# Altium PCB 电解水杯拼版6in1.PcbDoc (part 5 of 9)
Units mm, origin at the board's own origin, x right, y up, seen from the top; angles counter-clockwise.
Board outline 210 x 138 mm, 2 copper layers (Top Layer, Bottom Layer); 750 components, 0 nets, 2092 pads, 2070 vias.
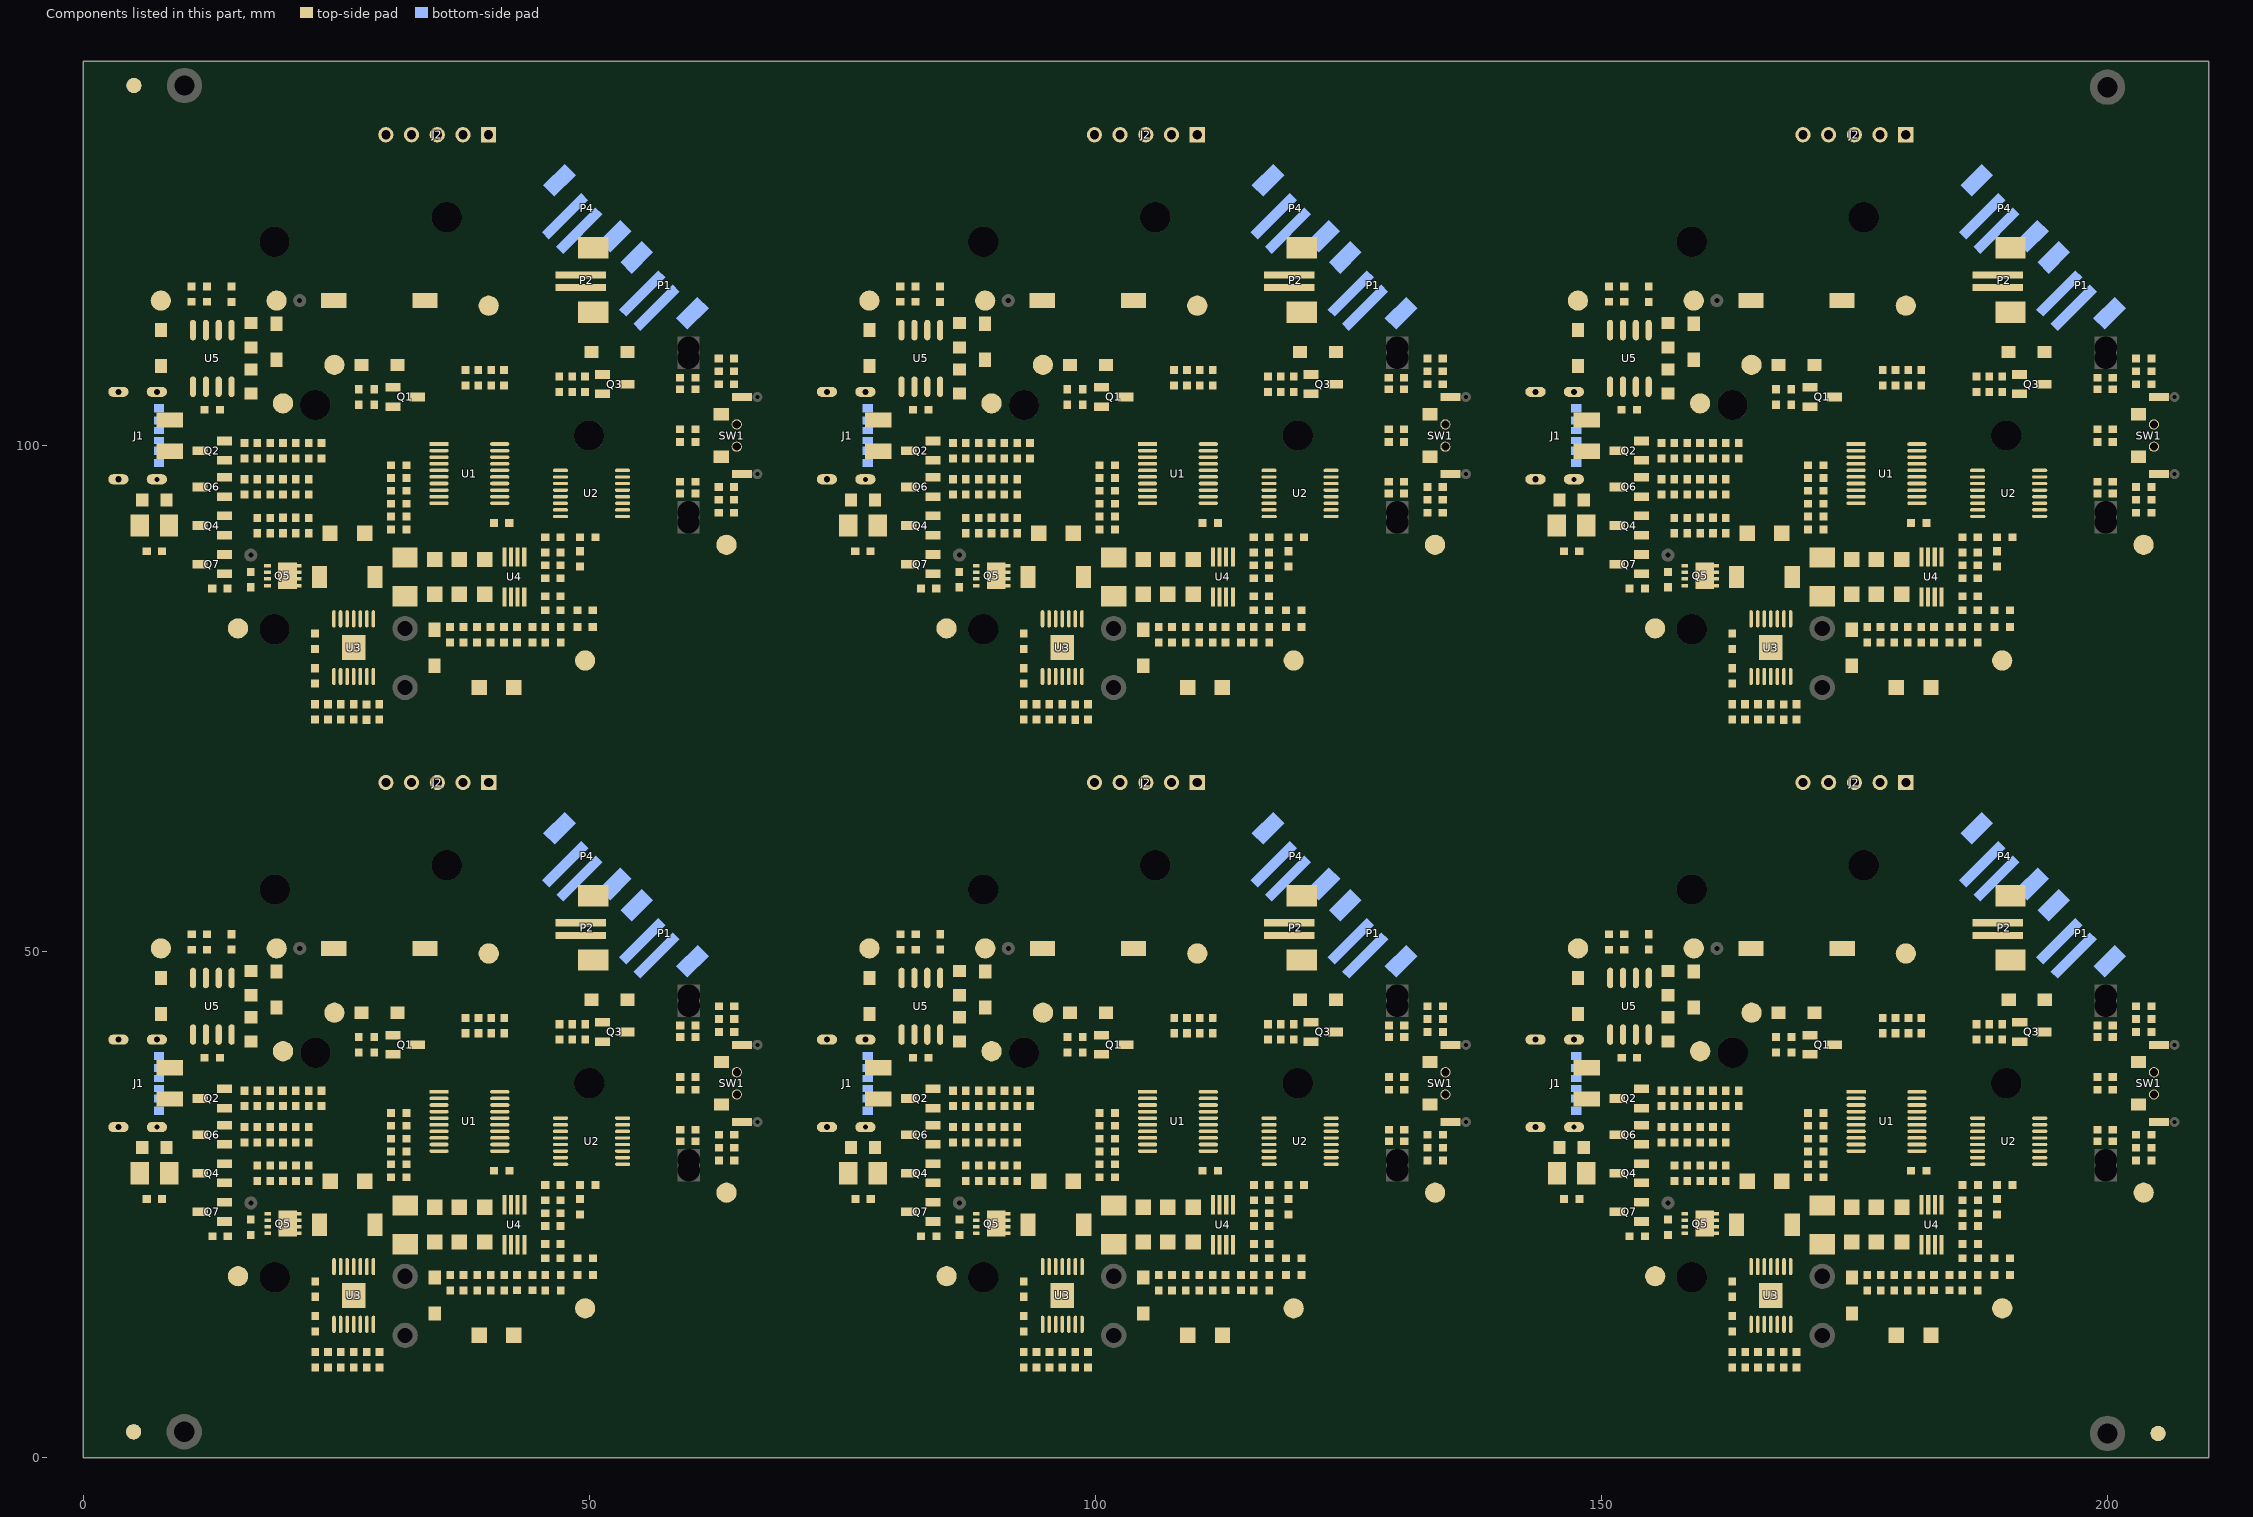
[diagram p5: the components of this part, seen from the top]

## Via types
v1: diameter 0.6, hole 0.3, Top Layer to Bottom Layer, 1968 vias
v2: diameter 0.8, hole 0.4, Top Layer to Bottom Layer, 102 vias

## Nets (pads, with @x,y where several pads share a name; then routed paths per layer and width w, separated by ;. In a path a pad name is that pad's centre, name@x,y a point inside that pad or via, vN(x,y) a via of type N, cw(c..) or ccw(c..) an arc to the next point about the centre after c; other vN are vias at no path point) (continued)
copper on no net: (continued)
  Top Layer w0.3: 5.528,95.829 ccw(c6.996,95.829) 5.958,94.791 ; 5.528,96.554 ccw(c7.721,96.554) 6.17,95.003 ; 5.534,31.829 ccw(c7.002,31.829) 5.964,30.791 ; 5.534,32.554 ccw(c7.726,32.554) 6.176,31.003 ; 5.852,94.65 5.528,94.974 5.528,102.016 6.062,102.55 8.554,102.55 ; 5.858,30.65 5.534,30.974 5.534,38.016 6.068,38.55 8.559,38.55 ; 7.58,102.126 ccw(c6.555,101.101) 6.555,102.55 ccw(c6.555,103.999) 7.58,102.974 ; 7.585,38.126 ccw(c6.561,37.101) 6.561,38.55 ccw(c6.561,39.999) 7.585,38.974 ; 7.651,89.733 ccw(c7.256,90.128) 7.814,90.128 ccw(c8.372,90.128) 7.977,89.733 ; 7.656,25.733 ccw(c7.262,26.128) 7.82,26.128 ccw(c8.377,26.128) 7.983,25.733 ; 7.814,89.471 cw(c9.851,89.471) 8.865,91.254 ; 7.814,89.57 7.814,91.422 ; 7.814,89.98 cw(c9.57,89.98) 8.72,91.516 ; 7.814,90.489 cw(c9.288,90.489) 8.575,91.779 ; 7.814,90.998 cw(c9.007,90.998) 8.429,92.041 ; 7.82,25.471 cw(c9.857,25.471) 8.871,27.254 ; 7.82,25.57 7.82,27.422 ; 7.82,25.98 cw(c9.575,25.98) 8.725,27.516 ; 7.82,26.489 cw(c9.294,26.489) 8.58,27.779 ; 7.82,26.998 cw(c9.012,26.998) 8.435,28.041 ; 10.591,114.045 cw(c9.936,113.39) 10.862,113.39 ; 10.591,114.371 ccw(c9.936,115.026) 10.862,115.026 ; 10.591,115.569 cw(c9.936,114.914) 10.862,114.914 ; 10.596,50.045 cw(c9.941,49.39) 10.868,49.39 ; 10.596,50.371 ccw(c9.941,51.026) 10.868,51.026 ; 10.596,51.569 cw(c9.941,50.914) 10.868,50.914 ; 10.753,112.235 ccw(c10.488,112.499) 10.862,112.499 ccw(c11.236,112.499) 10.972,112.235 ; 10.758,48.235 ccw(c10.494,48.499) 10.868,48.499 ccw(c11.241,48.499) 10.977,48.235 ; 10.862,111.414 10.862,115.605 ; 10.868,47.414 10.868,51.605 ; 11.373,88.106 cw(c10.903,87.636) 11.567,87.636 cw(c12.231,87.636) 11.762,88.106 ; 11.378,24.106 cw(c10.909,23.636) 11.573,23.636 cw(c12.236,23.636) 11.767,24.106 ; 11.567,88.3 11.567,86.325 12.005,85.887 12.767,85.887 ; 11.573,24.3 11.573,22.325 12.011,21.887 12.773,21.887 ; 12.585,85.724 ccw(c12.19,85.329) 12.19,85.887 ccw(c12.19,86.445) 12.585,86.05 ; 12.59,21.724 ccw(c12.196,21.329) 12.196,21.887 ccw(c12.196,22.445) 12.59,22.05 ; 13.967,98.561 17.024,98.561 ; 13.973,34.561 17.03,34.561 ; 14.154,96.683 15.942,96.683 ; 14.155,91.348 17.212,91.348 18.482,91.348 ; 14.155,100.273 15.942,100.273 ; 14.161,27.348 17.218,27.348 18.488,27.348 ; 14.16,32.683 15.947,32.683 ; 14.161,36.273 15.948,36.273 ; 14.274,96.852 ccw(c14.684,97.262) 14.684,96.683 ; 14.274,100.443 ccw(c14.686,100.855) 14.686,100.273 ; 14.277,91.182 cw(c14.678,90.78) 14.678,91.348 ; 14.28,32.852 ccw(c14.689,33.262) 14.689,32.683 ; 14.28,36.443 ccw(c14.691,36.855) 14.691,36.273 ; 14.282,27.182 cw(c14.684,26.78) 14.684,27.348 ; 14.291,86.014 16.577,86.014 ; 14.297,22.014 16.583,22.014 ; 14.473,85.724 cw(c15.174,85.023) 15.174,86.014 ; 14.479,21.724 cw(c15.18,21.023) 15.18,22.014 ; 14.487,97.064 ccw(c15.408,97.986) 15.408,96.683 ; 14.487,98.367 cw(c14.956,97.897) 14.956,98.561 cw(c14.956,99.225) 14.487,98.755 ; 14.487,100.655 ccw(c15.41,101.579) 15.41,100.273 ; 14.489,90.97 cw(c15.403,90.056) 15.403,91.348 ; 14.492,33.064 ccw(c15.414,33.986) 15.414,32.683 ; 14.492,34.367 cw(c14.961,33.897) 14.961,34.561 cw(c14.961,35.225) 14.492,34.755 ; 14.492,36.655 ccw(c15.415,37.579) 15.415,36.273 ; 14.494,26.97 cw(c15.408,26.056) 15.408,27.348 ; 14.813,82.642 ccw(c14.129,83.601) 15.307,83.601 ccw(c16.485,83.601) 15.801,82.642 ; 14.819,18.642 ccw(c14.134,19.601) 15.313,19.601 ; 14.976,98.561 ccw(c14.976,99.696) 15.779,98.893 ; 14.982,34.561 ccw(c14.982,35.696) 15.784,34.893 ; 14.988,82.398 ccw(c14.545,83.018) 15.307,83.018 ccw(c16.069,83.018) 15.627,82.398 ; 14.993,18.398 ccw(c14.55,19.018) 15.313,19.018 ccw(c16.075,19.018) 15.632,18.398 ; 15.307,81.95 15.307,83.601 15.688,83.982 19.391,83.982 19.752,84.343 19.752,86.268 20.202,86.718 20.202,87.157 ; 15.313,17.95 15.313,19.601 ; 15.778,96.519 ccw(c15.384,96.125) 15.384,96.683 ccw(c15.384,97.24) 15.778,96.846 ; 15.779,100.11 ccw(c15.384,99.715) 15.384,100.273 ccw(c15.384,100.831) 15.779,100.436 ; 15.784,32.519 ccw(c15.39,32.125) 15.39,32.683 ccw(c15.39,33.24) 15.784,32.846 ; 15.784,36.11 ccw(c15.39,35.715) 15.39,36.273 ccw(c15.39,36.831) 15.784,36.436 ; 15.806,18.642 cw(c16.491,19.601) 15.313,19.601 ; 16.105,98.893 ccw(c16.908,99.696) 16.908,98.561 ; 16.111,34.893 ccw(c16.913,35.696) 16.913,34.561 ; 16.246,98.561 ccw(c16.246,99.696) 17.049,98.893 ; 16.252,34.561 ccw(c16.252,35.696) 17.054,34.893 ; 16.414,85.851 ccw(c16.019,85.456) 16.019,86.014 ccw(c16.019,86.572) 16.414,86.177 ; 16.419,21.851 ccw(c16.025,21.456) 16.025,22.014 ccw(c16.025,22.572) 16.419,22.177 ; 16.43,87.341 cw(c16.175,87.03) 16.577,87.03 ; 16.436,23.341 cw(c16.18,23.03) 16.583,23.03 ; 16.524,87.564 ccw(c16.807,87.324) 16.545,87.062 ; 16.53,23.564 ccw(c16.812,23.324) 16.55,23.062 ; 16.536,86.182 18.227,86.182 ; 16.542,22.182 18.233,22.182 ; 16.577,87.538 16.577,87.03 ; 16.583,23.538 16.583,23.03 ; 16.724,87.341 ccw(c16.979,87.03) 16.577,87.03 ; 16.729,23.341 ccw(c16.985,23.03) 16.583,23.03 ; 16.74,85.87 cw(c17.494,85.116) 17.494,86.182 ; 16.746,21.87 cw(c17.5,21.116) 17.5,22.182 ; 16.753,87.369 ccw(c17.056,87.113) 16.775,86.832 ; 16.759,23.369 ccw(c17.061,23.113) 16.781,22.832 ; 17.049,91.185 ccw(c16.654,90.79) 16.654,91.348 ccw(c16.654,91.906) 17.049,91.511 ; 17.054,27.185 ccw(c16.66,26.79) 16.66,27.348 ccw(c16.66,27.906) 17.054,27.511 ; 17.375,91.185 cw(c17.77,90.79) 17.77,91.348 cw(c17.77,91.906) 17.375,91.511 ; 17.381,27.185 cw(c17.775,26.79) 17.775,27.348 cw(c17.775,27.906) 17.381,27.511 ; 18.227,88.132 18.227,87.482 18.227,86.832 16.775,86.832 ; 18.233,24.132 18.233,23.482 18.233,22.832 16.781,22.832 ; 18.319,91.185 ccw(c17.924,90.79) 17.924,91.348 ccw(c17.924,91.906) 18.319,91.511 ; 18.324,27.185 ccw(c17.93,26.79) 17.93,27.348 ccw(c17.93,27.906) 18.324,27.511 ; 19.752,84.302 cw(c22.102,84.302) 20.671,86.166 ; 19.752,84.911 cw(c21.635,84.911) 20.488,86.404 ; 19.752,85.519 cw(c21.168,85.519) 20.306,86.642 ; 19.758,20.302 cw(c22.107,20.302) 20.676,22.166 ; 19.758,20.911 cw(c21.64,20.911) 20.494,22.404 ; 19.758,21.519 cw(c21.173,21.519) 20.311,22.642 ; 20.208,23.157 20.208,22.718 19.758,22.268 19.758,20.343 19.396,19.982 15.694,19.982 15.313,19.601 ; 21.277,86.832 23.153,86.832 ; 21.283,22.832 23.159,22.832 ; 21.538,86.832 cw(c21.538,84.867) 22.928,86.256 ; 21.543,22.832 cw(c21.543,20.867) 22.933,22.256 ; 21.657,74.458 22.927,74.458 ; 21.662,10.458 22.932,10.458 ; 22.262,86.832 cw(c22.262,85.591) 23.14,86.469 ; 22.268,22.832 cw(c22.268,21.591) 23.145,22.469 ; 22.269,86.832 ccw(c22.269,87.764) 22.928,87.105 ; 22.274,22.832 ccw(c22.274,23.764) 22.933,23.105 ; 22.292,91.348 24.4,91.348 ; 22.298,27.348 24.406,27.348 ; 22.455,91.185 cw(c22.85,90.79) 22.85,91.348 cw(c22.85,91.906) 22.455,91.511 ; 22.461,27.185 cw(c22.855,26.79) 22.855,27.348 cw(c22.855,27.906) 22.461,27.511 ; 22.763,74.294 ccw(c22.369,73.9) 22.369,74.458 ccw(c22.369,75.015) 22.763,74.621 ; 22.764,81.624 ccw(c22.369,82.019) 22.927,82.019 ccw(c23.485,82.019) 23.09,81.624 ; 22.769,10.294 ccw(c22.375,9.9) 22.375,10.458 ccw(c22.375,11.015) 22.769,10.621 ; 22.769,17.624 ccw(c22.375,18.019) 22.933,18.019 ccw(c23.49,18.019) 23.096,17.624 ; v1@22.821,82.352 cw(c22.565,82.096) 22.927,82.096 cw(c23.289,82.096) v1@23.033,82.352 ; v1@22.826,18.352 cw(c22.57,18.096) 22.933,18.096 cw(c23.295,18.096) v1@23.039,18.352 ; 22.927,72.934 24.197,72.934 ; 22.927,76.489 24.787,76.489 ; 22.927,81.442 v1(22.927,82.458) ; v1(22.927,84.236) 25.833,84.236 26.087,83.982 26.087,82.896 ; 22.932,8.934 24.202,8.934 ; 22.933,12.489 24.792,12.489 ; 22.933,17.442 v1(22.933,18.458) ; v1(22.933,20.236) 25.838,20.236 26.092,19.982 26.092,18.896 ; v1@23.033,84.13 cw(c23.289,83.874) 23.289,84.236 cw(c23.289,84.598) v1@23.033,84.342 ; v1@23.039,20.13 cw(c23.295,19.874) 23.295,20.236 cw(c23.295,20.598) v1@23.039,20.342 ; 23.09,72.77 cw(c23.485,72.376) 23.485,72.934 cw(c23.485,73.491) 23.09,73.097 ; 23.09,76.326 cw(c23.485,75.931) 23.485,76.489 cw(c23.485,77.047) 23.09,76.652 ; 23.096,8.77 cw(c23.49,8.376) 23.49,8.934 cw(c23.49,9.491) 23.096,9.097 ; 23.096,12.326 cw(c23.49,11.931) 23.49,12.489 cw(c23.49,13.047) 23.096,12.652 ; 23.968,90.915 ccw(c22.923,89.87) 22.923,91.348 ccw(c22.923,92.825) 23.968,91.781 ; 23.973,26.915 ccw(c22.928,25.87) 22.928,27.348 ccw(c22.928,28.825) 23.973,27.781 ; 24.033,72.77 ccw(c23.639,72.376) 23.639,72.934 ccw(c23.639,73.491) 24.033,73.097 ; 24.033,74.64 ccw(c23.639,75.034) 24.197,75.034 ccw(c24.755,75.034) 24.36,74.64 ; 24.039,8.77 ccw(c23.645,8.376) 23.645,8.934 ccw(c23.645,9.491) 24.039,9.097 ; 24.039,10.64 ccw(c23.645,11.034) 24.202,11.034 ccw(c24.76,11.034) 24.366,10.64 ; 24.197,74.458 24.197,75.473 24.787,76.063 24.787,77.196 ; 24.202,10.458 24.202,11.473 24.792,12.063 24.792,13.196 ; 24.777,114.335 26.864,114.335 27.499,113.7 27.499,113.065 ; 24.783,50.335 26.87,50.335 27.505,49.7 27.505,49.065 ; 25.303,74.64 ccw(c24.982,74.962) 25.437,74.962 ; 25.309,10.64 ccw(c24.987,10.962) 25.442,10.962 ; 25.437,75.107 ccw(c26.097,75.107) 25.63,74.64 ; 25.437,77.196 25.437,74.488 25.467,74.458 26.737,74.458 ; 25.442,11.107 ccw(c26.102,11.107) 25.636,10.64 ; 25.442,13.196 25.442,10.488 25.472,10.458 26.742,10.458 ; 25.63,74.294 cw(c26.025,73.9) 26.025,74.458 cw(c26.025,75.015) 25.63,74.621 ; 25.636,10.294 cw(c26.03,9.9) 26.03,10.458 cw(c26.03,11.015) 25.636,10.621 ; 25.701,113.911 cw(c26.726,112.886) 26.726,114.335 cw(c26.726,115.784) 25.701,114.759 ; 25.707,49.911 cw(c26.731,48.886) 26.731,50.335 cw(c26.731,51.784) 25.707,50.759 ; 26.087,77.196 26.087,75.742 26.475,75.354 27.745,75.354 28.007,75.092 28.007,74.446 ; 26.092,13.196 26.092,11.742 26.481,11.354 27.751,11.354 28.013,11.092 28.013,10.446 ; 26.573,74.294 ccw(c26.179,73.9) 26.179,74.458 ccw(c26.179,75.015) 26.573,74.621 ; 26.579,10.294 ccw(c26.185,9.9) 26.185,10.458 ccw(c26.185,11.015) 26.579,10.621 ; 27.181,108.303 ccw(c26.413,109.071) 27.499,109.071 ccw(c28.585,109.071) 27.817,108.303 ; 27.186,44.303 ccw(c26.418,45.071) 27.505,45.071 ccw(c28.591,45.071) 27.823,44.303 ; 27.387,77.196 27.387,79.396 ; 27.392,13.196 27.392,15.396 ; 27.499,107.985 27.499,113.065 ; 27.505,43.985 27.505,49.065 ; 27.846,74.628 ccw(c27.458,75.016) 28.007,75.016 ; 27.852,10.628 ccw(c27.463,11.016) 28.013,11.016 ; 28.007,75.028 ccw(c28.573,75.028) 28.173,74.628 ; 28.013,11.028 ccw(c28.579,11.028) 28.178,10.628 ; 28.037,82.896 28.037,85.731 28.037,88.458 28.388,88.809 31.055,88.809 ; 28.042,18.896 28.042,21.731 28.042,24.458 28.393,24.809 31.06,24.809 ; 28.428,86.256 cw(c27.802,85.63) 28.687,85.63 ; 28.433,22.256 cw(c27.807,21.63) 28.692,21.63 ; v1@28.536,112.959 ccw(c28.28,112.703) 28.28,113.065 ccw(c28.28,113.427) v1@28.536,113.171 ; v1@28.541,48.959 ccw(c28.285,48.703) 28.285,49.065 ccw(c28.285,49.427) v1@28.541,49.171 ; v1(28.642,113.065) 27.499,113.065 ; v1(28.648,49.065) 27.505,49.065 ; 28.687,77.196 28.687,75.937 29.277,75.347 29.277,74.458 ; 28.687,82.896 28.687,86.381 ; 28.687,84.834 cw(c30.699,84.834) 29.276,86.256 ; 28.687,85.558 cw(c29.974,85.558) 29.064,86.469 ; 28.692,13.196 28.692,11.937 29.282,11.347 29.282,10.458 ; 28.692,18.896 28.692,22.381 ; 28.692,20.834 cw(c30.704,20.834) 29.282,22.256 ; 28.692,21.558 cw(c29.98,21.558) 29.069,22.469 ; 29.113,74.64 ccw(c28.719,75.034) 29.277,75.034 ccw(c29.835,75.034) 29.44,74.64 ; 29.119,10.64 ccw(c28.725,11.034) 29.282,11.034 ccw(c29.84,11.034) 29.446,10.64 ; 29.186,88.809 ccw(c29.186,91.326) 30.966,89.546 ; 29.191,24.809 ccw(c29.191,27.326) 30.971,25.546 ; 29.844,88.809 cw(c29.844,87.222) 30.966,88.344 ; 29.85,24.809 cw(c29.85,23.222) 30.971,24.344 ; 29.91,88.809 ccw(c29.91,90.602) 31.178,89.334 ; 29.916,24.809 ccw(c29.916,26.602) 31.184,25.334 ; 30.568,88.809 cw(c30.568,87.946) 31.178,88.556 ; 30.574,24.809 cw(c30.574,23.946) 31.184,24.556 ; 31.781,96.972 ccw(c31.386,97.367) 31.944,97.367 ccw(c32.502,97.367) 32.107,96.972 ; 31.781,97.916 cw(c31.386,97.521) 31.944,97.521 cw(c32.502,97.521) 32.107,97.916 ; 31.786,32.972 ccw(c31.392,33.367) 31.95,33.367 ccw(c32.507,33.367) 32.113,32.972 ; 31.786,33.916 cw(c31.392,33.521) 31.95,33.521 cw(c32.507,33.521) 32.113,33.916 ; 31.944,96.809 31.944,98.079 ; 31.95,32.809 31.95,34.079 ; 32.013,94.962 35.167,94.962 ; 32.019,30.962 35.173,30.962 ; 32.077,98.212 v1(33.622,98.212) 35.167,98.212 ; 32.082,34.212 v1(33.627,34.212) 35.173,34.212 ; 32.126,97.916 cw(c32.841,97.201) 32.841,98.212 ; 32.132,33.916 cw(c32.847,33.201) 32.847,34.212 ; v1@33.516,98.106 ccw(c33.26,97.85) 33.26,98.212 ccw(c33.26,98.574) v1@33.516,98.318 ; v1@33.521,34.106 ccw(c33.265,33.85) 33.265,34.212 ccw(c33.265,34.574) v1@33.521,34.318 ; v1(33.595,96.262) 35.167,96.262 ; v1(33.601,32.262) 35.173,32.262 ; v1@33.701,96.156 cw(c33.957,95.9) 33.957,96.262 cw(c33.957,96.624) v1@33.701,96.368 ; v1@33.707,32.156 cw(c33.963,31.9) 33.963,32.262 cw(c33.963,32.624) v1@33.707,32.368 ; v1@33.728,98.106 cw(c33.984,97.85) 33.984,98.212 cw(c33.984,98.574) v1@33.728,98.318 ; v1@33.733,34.106 cw(c33.99,33.85) 33.99,34.212 cw(c33.99,34.574) v1@33.733,34.318 ; 34.738,88.757 37.151,88.757 39.691,88.757 ; 34.744,24.757 37.157,24.757 39.697,24.757 ; 35.171,88.324 cw(c36.216,87.28) 36.216,88.757 cw(c36.216,90.235) 35.171,89.19 ; 35.176,24.324 cw(c36.221,23.28) 36.221,24.757 cw(c36.221,26.235) 35.176,25.19 ; 36.718,88.324 ccw(c35.674,87.28) 35.674,88.757 ccw(c35.674,90.235) 36.718,89.19 ; 36.724,24.324 ccw(c35.679,23.28) 35.679,24.757 ccw(c35.679,26.235) 36.724,25.19 ; 37.422,80.375 cw(c37.003,79.956) 37.596,79.956 ; 37.427,16.375 cw(c37.008,15.956) 37.601,15.956 ; v1@37.49,79.516 ccw(c37.233,79.772) 37.596,79.772 ccw(c37.958,79.772) v1@37.702,79.516 ; v1@37.495,15.516 ccw(c37.239,15.772) 37.601,15.772 ccw(c37.963,15.772) v1@37.707,15.516 ; 37.584,88.324 cw(c38.629,87.28) 38.629,88.757 cw(c38.629,90.235) 37.584,89.19 ; 37.589,24.324 cw(c38.634,23.28) 38.634,24.757 cw(c38.634,26.235) 37.589,25.19 ; v1(37.596,79.41) 37.596,80.553 38.929,80.553 ; 37.596,80.005 cw(c38.118,80.005) 37.749,80.375 ; v1(37.601,15.41) 37.601,16.553 38.935,16.553 ; 37.601,16.005 cw(c38.124,16.005) 37.754,16.375 ; 37.749,80.394 cw(c38.133,80.009) 38.133,80.553 ; 37.749,80.72 ccw(c38.153,81.124) 38.153,80.553 ; 37.754,16.394 cw(c38.139,16.009) 38.139,16.553 ; 37.754,16.72 ccw(c38.158,17.124) 38.158,16.553 ; 38.7,76.541 ccw(c37.655,77.585) 39.132,77.585 ccw(c40.61,77.585) 39.565,76.541 ; 38.705,12.541 ccw(c37.66,13.585) 39.138,13.585 ccw(c40.615,13.585) 39.57,12.541 ; 38.766,80.39 ccw(c38.371,79.995) 38.371,80.553 ccw(c38.371,81.111) 38.766,80.716 ; 38.766,82.259 ccw(c38.371,82.654) 38.929,82.654 ccw(c39.487,82.654) 39.092,82.259 ; 38.771,16.39 ccw(c38.377,15.995) 38.377,16.553 ccw(c38.377,17.111) 38.771,16.716 ; 38.771,18.259 ccw(c38.377,18.654) 38.935,18.654 ccw(c39.492,18.654) 39.098,18.259 ; v1@38.823,83.114 cw(c38.567,82.858) 38.929,82.858 cw(c39.291,82.858) v1@39.035,83.114 ; v1@38.828,19.114 cw(c38.572,18.858) 38.935,18.858 cw(c39.297,18.858) v1@39.041,19.114 ; 38.929,82.077 v1(38.929,83.22) ; 38.935,18.077 v1(38.935,19.22) ; 39.132,76.108 39.132,77.835 39.437,78.14 41.342,78.14 41.596,78.394 41.596,80.553 ; 39.138,12.108 39.138,13.835 39.443,14.14 41.348,14.14 41.602,14.394 41.602,16.553 ; 39.258,88.324 ccw(c38.214,87.28) 38.214,88.757 ccw(c38.214,90.235) 39.258,89.19 ; 39.264,24.324 ccw(c38.219,23.28) 38.219,24.757 ccw(c38.219,26.235) 39.264,25.19 ; 39.489,84.75 cw(c39.202,83.929) v1@40.072,83.929 ; 39.495,20.75 cw(c39.208,19.929) v1@40.078,19.929 ; 39.588,85.034 cw(c39.35,84.352) 40.072,84.352 ; 39.594,21.034 cw(c39.355,20.352) 40.078,20.352 ; v1@39.942,84.057 ccw(c39.669,84.215) 39.974,84.296 ; v1@39.948,20.057 ccw(c39.674,20.215) 39.979,20.296 ; 39.957,84.36 ccw(c40.351,84.466) v1@40.147,84.112 ; 39.962,20.36 ccw(c40.357,20.466) v1@40.153,20.112 ; v1@39.966,84.088 ccw(c39.71,84.344) 40.072,84.344 ccw(c40.434,84.344) v1@40.178,84.088 ; v1@39.971,20.088 ccw(c39.715,20.344) 40.078,20.344 ccw(c40.44,20.344) v1@40.184,20.088 ; v1(40.072,83.982) 40.072,84.947 ; v1(40.078,19.982) 40.078,20.947 ; 40.426,81.914 cw(c40.822,81.518) 40.822,82.078 ; 40.426,82.24 ccw(c40.819,82.633) 40.819,82.078 ; 40.431,17.914 cw(c40.827,17.518) 40.827,18.078 ; 40.431,18.24 ccw(c40.824,18.633) 40.824,18.078 ; 40.453,82.078 41.637,82.078 ; 40.459,18.078 41.643,18.078 ; 41.037,82.078 cw(c41.037,81.518) 41.433,81.914 ; 41.04,82.078 ccw(c41.04,82.633) 41.433,82.24 ; 41.042,18.078 cw(c41.042,17.518) 41.438,17.914 ; 41.045,18.078 ccw(c41.045,18.633) 41.438,18.24 ; 41.433,80.371 cw(c41.038,79.976) 41.596,79.976 cw(c42.154,79.976) 41.759,80.371 ; 41.433,82.259 ccw(c40.939,82.753) 41.637,82.753 ; 41.433,107.659 ccw(c41.038,108.054) 41.596,108.054 ccw(c42.154,108.054) 41.759,107.659 ; 41.438,16.371 cw(c41.044,15.976) 41.602,15.976 cw(c42.159,15.976) 41.765,16.371 ; 41.438,18.259 ccw(c40.945,18.753) 41.643,18.753 ; 41.438,43.659 ccw(c41.044,44.054) 41.602,44.054 ccw(c42.159,44.054) 41.765,43.659 ; v1(41.469,118.272) 44.898,118.272 45.406,117.764 v1(45.406,113.065) v1(45.406,109.255) ; v1(41.475,54.272) 44.904,54.272 45.412,53.764 v1(45.412,49.065) v1(45.412,45.255) ; v1@41.49,90.734 cw(c41.135,90.379) 41.637,90.379 ; v1@41.49,109.149 cw(c41.234,108.893) 41.596,108.893 cw(c41.958,108.893) v1@41.702,109.149 ; v1@41.495,26.734 cw(c41.14,26.379) 41.643,26.379 ; v1@41.495,45.149 cw(c41.239,44.893) 41.602,44.893 cw(c41.964,44.893) v1@41.708,45.149 ; v1@41.575,118.166 cw(c41.831,117.91) 41.831,118.272 cw(c41.831,118.634) v1@41.575,118.378 ; v1@41.581,54.166 cw(c41.837,53.91) 41.837,54.272 cw(c41.837,54.634) v1@41.581,54.378 ; 41.596,107.477 v1(41.596,109.255) ; 41.602,43.477 v1(41.602,45.255) ; 41.637,82.118 41.637,83.135 41.637,85.055 ; 41.637,82.555 ccw(c42.055,82.555) 41.759,82.259 ; 41.637,87.284 41.637,89.005 v1@41.637,90.627 ; 41.643,18.118 41.643,19.135 41.643,21.055 ; 41.643,18.555 ccw(c42.06,18.555) 41.765,18.259 ; 41.643,23.284 41.643,25.005 v1@41.643,26.627 ; 42.107,92.368 43.25,92.368 43.881,92.999 v1(45.533,92.999) ; 42.112,28.368 43.255,28.368 43.886,28.999 v1(45.539,28.999) ; 42.287,89.005 42.287,87.229 42.612,86.904 45.66,86.904 45.66,88.174 ; 42.289,92.205 cw(c42.683,91.81) 42.683,92.368 cw(c42.683,92.926) 42.289,92.531 ; 42.293,25.005 42.293,23.229 42.618,22.904 45.665,22.904 45.665,24.174 ; 42.294,28.205 cw(c42.689,27.81) 42.689,28.368 cw(c42.689,28.926) 42.294,28.531 ; 42.952,89.006 44.079,89.006 44.517,89.444 45.66,89.444 ; 42.957,25.006 44.084,25.006 44.522,25.444 45.665,25.444 ; 43.587,85.056 v2(44.517,85.056) ; 43.593,21.056 v2(44.522,21.056) ; 43.882,90.967 45.66,90.967 ; 43.888,26.967 45.666,26.967 ; v2@44.34,84.879 ccw(c43.913,84.452) 43.913,85.056 ccw(c43.913,85.659) v2@44.34,85.232 ; v2@44.345,20.879 ccw(c43.919,20.452) 43.919,21.056 ccw(c43.919,21.659) v2@44.345,21.232 ; v1@45.3,109.361 ccw(c45.044,109.617) 45.406,109.617 ccw(c45.768,109.617) v1@45.512,109.361 ; v1@45.3,112.959 cw(c45.044,112.703) 45.406,112.703 cw(c45.768,112.703) v1@45.512,112.959 ; v1@45.3,113.171 ccw(c45.044,113.427) 45.406,113.427 ccw(c45.768,113.427) v1@45.512,113.171 ; v1@45.305,45.361 ccw(c45.049,45.617) 45.412,45.617 ccw(c45.774,45.617) v1@45.518,45.361 ; v1@45.305,48.959 cw(c45.049,48.703) 45.412,48.703 cw(c45.774,48.703) v1@45.518,48.959 ; v1@45.305,49.171 ccw(c45.049,49.427) 45.412,49.427 ccw(c45.774,49.427) v1@45.518,49.171 ; v1@45.427,92.893 ccw(c45.171,92.637) 45.171,92.999 ccw(c45.171,93.361) v1@45.427,93.105 ; v1@45.432,28.893 ccw(c45.176,28.637) 45.176,28.999 ccw(c45.176,29.361) v1@45.432,29.105 ; 45.477,86.74 ccw(c45.083,86.346) 45.083,86.904 ccw(c45.083,87.461) 45.477,87.067 ; 45.477,89.28 ccw(c45.083,88.886) 45.083,89.444 ccw(c45.083,90.001) 45.477,89.607 ; 45.478,90.804 ccw(c45.083,90.41) 45.083,90.967 ccw(c45.083,91.525) 45.478,91.131 ; 45.483,22.74 ccw(c45.089,22.346) 45.089,22.904 ccw(c45.089,23.461) 45.483,23.067 ; 45.483,25.28 ccw(c45.089,24.886) 45.089,25.444 ccw(c45.089,26.001) 45.483,25.607 ; 45.483,26.804 ccw(c45.089,26.41) 45.089,26.967 ccw(c45.089,27.525) 45.483,27.131 ; 45.496,80.371 cw(c45.102,79.977) 45.66,79.977 cw(c46.218,79.977) 45.823,80.371 ; 45.496,87.067 ccw(c45.102,87.461) 45.66,87.461 ccw(c46.218,87.461) 45.823,87.067 ; 45.496,88.01 cw(c45.102,87.616) 45.66,87.616 cw(c46.218,87.616) 45.823,88.01 ; 45.502,16.371 